# Altium PCB NODE.PcbDoc (continued)
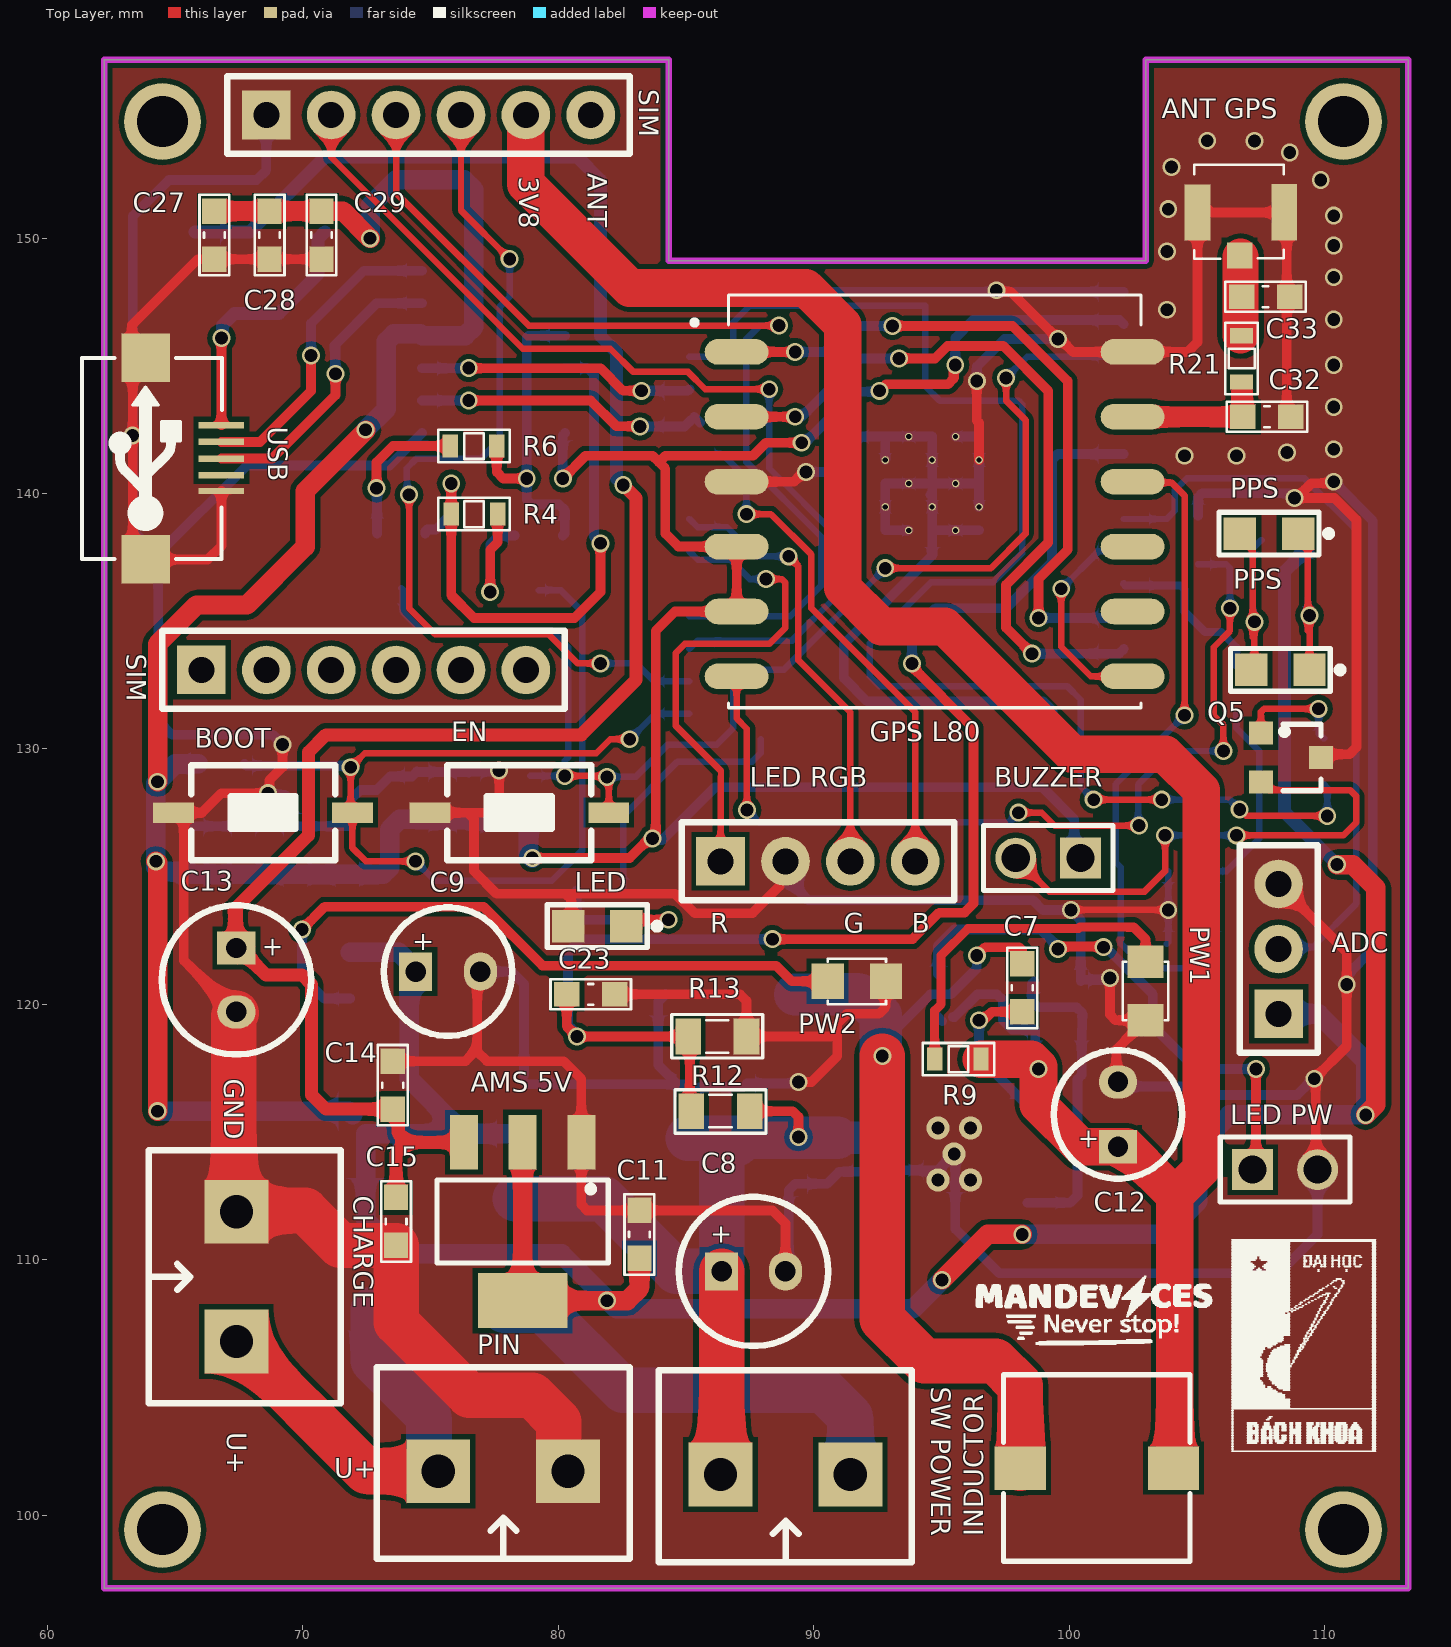
[diagram p0: Top Layer view]
## Footprints (in the part's own frame and the unit in brackets; to place one, negate y for a bottom-side part, rotate by r counter-clockwise, add the part's x,y. Pads: shape width x height; smd on the part's side, far side on the other; paste and mask are expansions set on the pad) (continued)
SMA [mm]
  rect 2x1.7 smd: 1(-2.544,0) 2(2.544,0)
  silkscreen extent -3.94,-1.9 3.94,1.91, body extent -2.87,-1.4 2.87,1.4, height 2.29
SOP-16 [mm]
  rect 0.6x1.2 smd: 1(-4.445,-2.8) 2(-3.175,-2.8) 3(-1.905,-2.8) 4(-0.635,-2.8) 5(0.635,-2.8) 6(1.905,-2.8) 7(3.175,-2.8) 8(4.445,-2.8) 9(4.445,2.8) 10(3.175,2.8) 11(1.905,2.8) 12(0.635,2.8) 13(-0.635,2.8) 14(-1.905,2.8) 15(-3.175,2.8) 16(-4.445,2.8)
  silkscreen extent -5.84,-2.67 5.26,1.95, body extent -4.95,-3.47 4.95,3.47, height 1.75
SOT23 [mm] "SOT-23; 3 Leads; Body 3.1 x 2.5 mm, inc. leads (LxW max), Alternate Lead Configuration"
  rect 0.9x0.95 smd: 1(-0.95,-1.175) 2(0,1.175) 3(0.95,-1.175)
  silkscreen extent -1.3,-0.38 1.3,1.18
SOT23-321 [mm]
  rect 0.9x0.95 smd mask+0: 1(0.95,-1.25)
  rect 0.9x0.95 smd: 2(0,1.25) 3(-0.95,-1.25)
  silkscreen extent -1.3,-0.38 1.3,1.25, body extent -1.52,-1.23 1.48,1.27, height 1.06
SOT95P240X97-3N [mil]
  rect 48x21 smd: 1(-42,37) 2(-42,-37) 3(42,0)
  silkscreen extent -9,-57 26,57, body extent -25,-60 26,60, height 79
SOT223 [mm] "SOT-223/SC-73; 4 Leads; Body 6.7 x 7.3 mm, inc. leads (LxW max)"
  rect 1.1x2.15 smd: 1(-2.3,-3.1) 2(0,-3.1) 3(2.3,-3.1)
  rect 3.5x2.15 smd: 4(0,3.1)
  silkscreen extent -3.35,-1.63 3.35,1.63, body extent -3.43,-1.65 3.43,1.65, height 2.54
SW-SMD [mm] "Switch SMD type"
  rect 1.6x0.8 smd: 1(-3.5,0) 2(3.5,0)
  silkscreen extent -2.82,-1.85 2.82,1.85, body extent -3.05,-1.85 3.05,1.85, height 2.5
TPS5430-2 [mm]
  rect 2.2x0.508 smd: 1(-2.875,1.905) 2(-2.875,0.635) 3(-2.875,-0.635) 4(-2.875,-1.905) 5(2.875,-1.905) 6(2.875,-0.635) 7(2.875,0.635) 8(2.875,1.905)
  rect 2.413x2.54 smd: 9(0,-0.229) 9(0,0.229)
  silkscreen extent -5.46,-2.54 4.44,2.54, body extent -3.33,-2.49 3.33,2.49, height 1.69
USB-M1 [mil]
  rect 10x70 smd: 1(51.18,0) 2(25.59,0) 3(0,0) 4(-25.59,0) 5(-50,0)
  rect 74.8x74.8 smd: 5(-155.51,116.84) 5(155.51,116.84)
  silkscreen extent -155,-1 155,215, body extent -157,5 158,218, height 107
XCVR_L80-M39 [mm]
  oval 2.5x1 smd paste-2: 1(-7.75,6.35) 2(-7.75,3.81) 3(-7.75,1.27) 4(-7.75,-1.27) 5(-7.75,-3.81) 6(-7.75,-6.35) 7(7.75,-6.35) 8(7.75,-3.81) 9(7.75,-1.27) 10(7.75,1.27) 11(7.75,3.81) 12(7.75,6.35)
  silkscreen extent -9.5,-7.57 8.08,8.57, body extent -8,-8 8,8, height 7.05

## Part data
ADC: "Header, 3-Pin", LatestRevisionDate=17-Jul-2002, LatestRevisionNote="Re-released for DXP Platform.", Publisher="Altium Limited"
"AMS 5V" "AMS PW": library part "AMS1117 SMD", "Dán", Chung_Loai=Dán, Don_Vi=Con, Ma_Hang=MH000596
"ANT GPS": library part IPXSx66, "Antenna GSM GPS", Manufacturer="TE Connectivity AMP Connectors", Package=SMD, Part Number=2334884-1, Category=Connectors, User_Description="UMCC MICRO-COAX RECEPTACLE, GEN"
BOOT EN: library part SW2, "Switch button 2 pin"
BUZZER "LED PW" PIN "SW POWER": "WR-PHD 2.54 mm Angled Socket Header", Manufacturer="W¨¹rth Elektronik eiSos GmbH", partNo=613002143121, ComponentLink1 Description=Manufacturer, ComponentLink1URL=http://www.we-online.com, ComponentLink2 Description=Datasheet, ComponentLink2URL=http://katalog.we-online.de/em/datasheet/6130xx143121.pdf, Created by="Karrer Zheng", Created Date="29 March 2013", NoPins=02
C1 C2 C3 C4 C5 C6 C23 C32 C33: library part CapSMD, "Capacitor", LatestRevisionDate=17-Jul-2002, LatestRevisionNote="Re-released for DXP Platform.", PackageReference=RAD-0.3, Published=8-Jun-2000, Publisher="Altium Limited"
C7 C10 C11 C17 C18 C27 C28 C29: library part C, "4.7µF ±10% 35V Ceramic Capacitor X5R 0805 (2012 Metric)", Manufacturer="Samsung Electro-Mechanics", Package=0805, Part Number=CL21A475KLCLQNC, Category=CAPACITOR, User_Description="CAP CER 4.7UF 35V X5R 0805"
C8 C13: library part CP3, "Cap 470uF/63V"
C9: library part "Cap Pol", "Polarized Capacitor (Axial)", LatestRevisionDate=17-Jul-2002, LatestRevisionNote="Re-released for DXP Platform.", PackageReference=POLAR0.8, Published=8-Jun-2000, Publisher="Altium Limited"
C12: library part CP5, "220µF Molded Tantalum Polymer Capacitor 16V 2917 (7343 Metric) 40mOhm @ 100kHz", Manufacturer="AVX Corporation", Package=2917, Part Number=TCME227M016R0040E, Category=CAPACITOR, User_Description="CAP TANT POLY 220UF 16V 2917"
C14 C15: library part C, "Cap SMD", Manufacturer="Samsung Electro-Mechanics", Package=0805, Part Number=CL21A106KPFNNNG, Category=CAPACITOR, User_Description="CAP CER 10UF 10V X5R 0805"
CH340: "USB to serial chip CH340", Package=Package, Availability=Unavailable, Check_prices=https://www.snapeda.com/parts/CH340C/WCH/view-part/5428851/?ref=eda, MF=WCH, MP=CH340C, Price=None, SnapEDA_Link=https://www.snapeda.com/parts/CH340C/WCH/view-part/5428851/?ref=snap
CHARGE: "Header IDC, 2 x 1 Pin Vertical 2.54mm Pitch (Non-Boxed, Male)", Manufacturer="W¨¹rth Elektronik eiSos GmbH", partNo=613002143121, ComponentLink1 Description=Manufacturer, ComponentLink1URL=http://www.we-online.com, ComponentLink2 Description=Datasheet, ComponentLink2URL=http://katalog.we-online.de/em/datasheet/6130xx143121.pdf, Created by="Karrer Zheng", Created Date="29 March 2013", NoPins=02
D1 D3: library part D1A, "Diode 1A"
D4: library part "Diode Zener", "Zener Diode", LatestRevisionDate=17-Jul-2002, LatestRevisionNote="Re-released for DXP Platform.", PackageReference=DIODE-0.7, Published=8-Jun-2000, Publisher="Altium Limited"
ESP32: "Bluetooth, WiFi 802.11b/g/n, Bluetooth v4.2 +EDR, Class 1, 2 and 3 Transceiver Module 2.4GHz ~ 2.5GHz Antenna Not Included, U.FL Surface Mount", Package="Module Espressif Systems", Availability="In Stock", Check_prices=https://www.snapeda.com/parts/ESP32-WROOM-32/Espressif+Systems/view-part/?ref=eda, MF="Espressif Systems", MP=ESP32-WROOM-32, Price=None, Purchase-URL=https://pricing.snapeda.com/search/part/ESP32-WROOM-32/?ref=eda, SnapEDA_Link=https://www.snapeda.com/parts/ESP32-WROOM-32/Espressif+Systems/view-part/?ref=snap
"GPS L80": "L80 is an ultra compact GPS POT (Patch on Top) module with an embedded 15.0mm × 15.0mm × 4.0mm patch antenna.", Package=None, Availability=Warning, Check_prices=https://www.snapeda.com/parts/L80-M39/Quectel/view-part/51186/?ref=eda, MF=Quectel, MP=L80-M39, Price=None, Purchase-URL=https://pricing.snapeda.com/search/part/L80-M39/?ref=eda, SnapEDA_Link=https://www.snapeda.com/parts/L80-M39/Quectel/view-part/51186/?ref=snap
INDUCTOR: library part L1, "22µH Shielded Inductor 1.65A 96mOhm Max Nonstandard", Manufacturer="Bourns Inc.", Package=SMD, Part Number=SRR0745A-220M, Category=INDUCTORS, User_Description="FIXED IND 22UH 1.65A 96 MOHM SMD"
LED PPS PPS: library part LED0805, "LED SMD 0805"
"LED RGB": "Header, 4-Pin", LatestRevisionDate=17-Jul-2002, LatestRevisionNote="Re-released for DXP Platform.", Publisher="Altium Limited"
PW1 PW2: library part LED, "LED RED DIFFUSED 0805 SMD", Manufacturer="OSRAM Opto Semiconductors Inc.", Package=0805, Part Number="LS R976-NR-1", Category="LED SMD", User_Description="LED RED DIFFUSED 0805 SMD"
Q1 Q2: "NPN 600mW, ECB"
  Q1: =C828
  Q2: =C2383
Q3 Q4: library part BC817, "Bipolar (BJT) Transistor NPN 45V 500mA 100MHz 250mW Surface Mount TO-236AB", Package="SOT-23-3 Rectron", Availability="In Stock", Check_prices=https://www.snapeda.com/parts/BC817/Rectron/view-part/?ref=eda, MF=Rectron, MP=BC817, Price=None, Purchase-URL=https://pricing.snapeda.com/search/part/BC817/?ref=eda, SnapEDA_Link=https://www.snapeda.com/parts/BC817/Rectron/view-part/?ref=snap
Q5: library part "C1815 HF SMD", "NPN transistor", =C9012
R1 R2 R3 R4 R5 R6 R12 R13 R14 R19 R20 R21: library part "Resistor - SMD", "Resistor SMD", Manufacturer="Generic Components", Class=Passive, Published=08/06/2000, Publisher="Altium Hobart Technology Centre"
R7 R9 R11: library part R, "Resistor 1/4W", Manufacturer=Yageo, Package=0805, Part Number=RC0805FR-071KL, Category=RESISTORS, User_Description="RES SMD 1K OHM 1% 1/8W 0805"
R8: library part R, "RES SMD 10K OHM 1% 1/8W 0805", Manufacturer=Yageo, Package=0805, Part Number=RC0805FR-0710KL, Category=RESISTORS, User_Description="RES SMD 10K OHM 1% 1/8W 0805"
R10: library part R, "RES SMD 3.3K OHM 1% 1/8W 0805", Manufacturer=Yageo, Package=0805, Part Number=RC0805FR-073K3L, Category=RESISTORS, User_Description="RES SMD 3.3K OHM 1% 1/8W 0805"
SIM SIM: "Header, 6-Pin", LatestRevisionDate=17-Jul-2002, LatestRevisionNote="Re-released for DXP Platform.", Publisher="Altium Limited"
USB: Manufacturer=FCI, Manufacturer Part Number=10118193-0001LF, Supplier Part Number 1=609-4616-1-ND, .Checked PCB=RF, .Checked SCH=MM, .Creator=MM, Category="Connectors, Interconnects", ComponentLink1Description=http://portal.fciconnect.com/Comergent//fci/drawing/10118193.pdf, ComponentLink1URL=http://portal.fciconnect.com/Comergent//fci/drawing/10118193.pdf, Connector Type="USB - micro B", Features="Shielded, Solder Retention", Gender=Receptacle, Ingress Protection=-, Mounting Type="Surface Mount, Right Angle, Horizontal", Number of Contacts=5, Packaging="Cut Tape (CT)", Pricing 1="1=0.46, 10=0.433, 25=0.3712, 50=0.3156, 100=0.3032, 250=0.27224, 500=0.25988 (USD)", RoHS="RoHS Compliant", Specifications="USB 2.0", Stock 1=28642, Supplier 1=Digi-Key
TPS5430: Name=TPS5430

## Free pads (board coordinates)
  round 3 hole 2: 0(64.516,99.441) 0(64.516,154.559) 0(110.744,99.441) 0(110.744,154.559)

## Via types
v1: diameter 0.7, hole 0.5, Top Layer to Bottom Layer, tented both sides, 113 vias
v2: diameter 0.9, hole 0.5, Top Layer to Bottom Layer, 5 vias

## Nets (pads, with @x,y where several pads share a name; then routed paths per layer and width w, separated by ;. In a path a pad name is that pad's centre, name@x,y a point inside that pad or via, vN(x,y) a via of type N, cw(c..) or ccw(c..) an arc to the next point about the centre after c; other vN are vias at no path point)
3V3: "AMS 5V.2" "AMS 5V.4" "AMS PW.2" "AMS PW.4" "GPS L80.4" "GPS L80.5" ADC.1 BUZZER.1 C1.2 C2.2 C3.2 C4.2 C5.1 C6.1 C9.1 C11.2 C27.2 C28.2 C29.2 CH340.4 CH340.16 ESP32.2 R2.1 R3.1 R5.1 R11.1 | length 264.5
  Top Layer w0.381: v1(78.994,125.73) 82.804,125.73 83.82,126.746 83.82,134.62 84.582,135.382 86.992,135.382 86.992,137.922 84.709,137.922 84.201,138.43 84.201,140.97 83.947,141.224 ; v1(80.188,140.589) 81.077,141.478 83.693,141.478 83.947,141.224 ; v1(89.535,141.986) 88.138,141.986 87.63,141.478 84.201,141.478 83.947,141.224 ; v1(92.583,144.018) 92.837,144.272 95.264,144.272 95.487,144.495 95.487,144.973 v1(95.549,145.034)
  Top Layer w0.762: v1(64.262,125.603) 64.323,125.542 v1(64.323,115.824) ; v1(64.323,128.717) 64.323,134.105 65.853,135.636 67.818,135.636 70.104,137.922 70.104,140.098 v1@72.483,142.477 ; C27.2 C28.2 C29.2 71.577,151.054 v1(72.644,149.987) ; C9.1@74.295,121.158 C9.1 ; 78.613,114.606 78.613,108.406 v1(81.915,108.406) 82.708,108.406 83.185,108.883 C11.2 ; v1(95.034,109.22) 96.812,110.998 v1(98.171,110.998) ; v1(110.49,125.476) 111.104,125.476 112.014,124.566 112.014,116.078 v1(111.612,115.676)
  Bottom Layer w0.381: v1(80.188,140.589) 80.188,142.279 CH340.16 ; v1(83.693,126.492) 83.754,126.431 84.07,126.431 84.073,126.428 86.148,128.503 98.954,128.503 100.203,127.254 100.203,125.984 BUZZER.1 ; v1(89.535,141.986) 89.662,141.986 91.661,143.985 92.55,143.985 v1(92.583,144.018) ; v1(95.549,145.034) 95.549,146.095 96.245,146.791 101.975,146.791 ESP32.2
  Bottom Layer w0.508: R5.1 109.197,137.701 108.443,136.946 108.443,127.523 v1(110.49,125.476)
  Bottom Layer w0.762: v1(64.323,115.824) 71.812,115.824 71.961,115.676 ; v1@64.389,128.778 64.262,128.651 v1(64.262,125.603) 64.262,125.374 64.422,125.214 65.565,125.214 65.659,125.12 C2.2 C1.2 C3.2 C4.2 73.152,125.095 73.406,125.349 73.406,126.848 73.812,127.254 74.461,127.254 C5.1 74.493,127.222 76.487,127.222 C6.1 76.544,127.165 78.881,127.165 R3.1 78.835,127.043 78.835,125.889 v1(78.994,125.73) ; v1@64.453,128.841 65.024,129.413 R2.1 ; R11.1 73.76,122.047 74.422,121.385 C9.1 74.168,121.031 74.168,117.094 76.327,114.935 ; v1(72.465,142.494) 73.279,143.308 73.279,145.952 73.574,146.246 74.607,146.246 CH340.4 76.36,146.177 76.708,146.525 76.708,151.892 76.327,152.273 73.66,152.273 72.644,151.257 v1(72.644,149.987) ; 78.665,114.935 76.327,114.935 ; v1(95.034,109.22) 93.894,108.08 82.293,108.08 80.137,110.236 73.787,110.236 72.465,111.558 72.465,114.935 76.327,114.935 ; v1(98.171,110.998) 103.759,110.998 105.049,112.288 105.049,114.447 106.278,115.676 v1(111.612,115.676) 111.612,117.792 109.769,119.634 ADC.1
3V8: C12.1 INDUCTOR.2 R7.1 R8.2 R9.1 SIM.5@78.74,154.813 | length 88.1
  Top Layer w1.473: SIM.5@78.741,154.203 78.741,152.114 82.811,148.044 89.7,148.044 91.144,146.6 91.144,136.313 92.661,134.796 95.132,134.796 100.134,129.794 103.762,129.794 105.173,128.384 105.173,113.555 104.14,112.522 102.235,114.427 C12.1 100.457,114.427 98.806,116.078 v1(98.806,117.475) 98.806,117.561 98.511,117.856 R9.1 ; INDUCTOR.2@104.14,101.854 104.14,112.131
  Bottom Layer w0.381: R7.1@94.869,119.507 R7.1@95.034,119.342 ; 95.45,119.507 95.519,119.507 96.408,120.396 97.186,120.396 97.409,120.173 97.409,119.38 97.77,119.019 R8.2 98.679,117.602 v1(98.806,117.475)
5V: "AMS 5V.3" C13.1 C14.1 C15.1 D1.2 | length 79.2
  Top Layer w0.508: 67.31,123.698 C13.1 67.41,123.798 70.231,126.619 70.231,129.877 70.91,130.556 80.909,130.556 83.058,132.705 83.058,139.827 v1(82.55,140.335) ; C13.1@67.51,122.21 68.562,121.158 69.977,121.158 70.358,120.777 70.358,116.459 70.917,115.9 C14.1 73.754,115.679 73.754,114.945 74.093,114.606 ; C15.1 73.661,114.174 74.093,114.606 ; 76.313,114.606 74.093,114.606
  Bottom Layer w0.508: D1.2 67.945,150.241 70.866,153.162 80.768,153.162 81.661,152.269 81.661,146.166 82.296,145.531 82.296,140.589 v1(82.55,140.335)
CH340_RX: CH340.3 ESP32.35 | length 10.9
  Top Layer w0.381: v1(76.506,144.907) 81.661,144.907 82.55,144.018 v1(83.266,144.018)
  Bottom Layer w0.381: CH340.3 v1(76.506,144.907) ; v1(83.266,144.018) 85.079,144.018 ESP32.35
CH340_TX: CH340.2 ESP32.34 | length 11.6
  Top Layer w0.381: v1(76.506,143.637) 81.279,143.637 82.283,142.632 83.194,142.632 v1(83.205,142.621)
  Bottom Layer w0.381: CH340.2 v1(76.506,143.637) ; v1(83.205,142.621) 84.952,142.621 ESP32.34 85.333,143.002 ESP32.34@85.556,142.78
D0_N: CH340.6 USB.2 | length 12
  Top Layer w0.381: USB.2 68.336,142.018 70.333,144.014 v1(70.333,145.403)
  Bottom Layer w0.381: v1@70.333,145.627 70.333,146.66 72.39,148.717 CH340.6
D0_P: CH340.5 USB.3 | length 12.2
  Top Layer w0.381: USB.3 68.809,141.368 71.288,143.847 v1(71.288,144.688)
  Bottom Layer w0.381: 71.247,145.796 71.288,144.912 71.288,145.837 72.898,147.447 CH340.5
EN: EN.1 ESP32.3 Q4.3 R3.2 | length 50
  Top Layer w0.254: v1(80.264,128.943) v1@81.799,128.943 ; EN.1 v1@81.986,128.756 ; v1(92.809,137.077) 96.945,137.077 98.298,138.43 98.298,142.875 97.536,143.637 v1(97.536,144.526)
  Bottom Layer w0.254: Q4.3 73.914,136.246 73.914,135.382 74.676,134.62 79.756,134.62 80.391,133.985 80.391,129.667 80.264,129.54 v1(80.264,128.943) R3.2 ; v1(81.915,128.905) 83.033,128.905 84.303,130.175 86.211,130.175 86.859,130.822 86.859,132.705 87.249,133.096 88.827,133.096 v1(92.809,137.077) ; v1(97.536,144.526) 98.362,145.352 ESP32.3
EX_ANT: "GPS L80.11" C32.2 R21.2 | length 5.6
  Top Layer w0.381: C32.2@106.625,143.002 C32.2@106.782,143.159 ; C32.2 106.782,143.027 C32.2@106.782,143.159 ; C32.2@106.908,143.285 C32.2@106.782,143.159
  Top Layer w0.8: 102.492,143.002 C32.2@106.625,143.002 ; C32.2@106.773,143.336 R21.2@106.773,144.209
GND: "AMS 5V.1" "AMS PW.1" "ANT GPS.2" "ANT GPS.3" "GPS L80.3" "GPS L80.12" "LED PW.2" "LED RGB.2" ADC.3 BOOT.2 C1.1 C2.1 C3.1 C4.1 C5.2 C6.2 C8.2 C9.2 C10.1 C11.1 C12.2 C13.2 C14.2 C15.2 C17.1 C18.1 C23.1 C27.1 C28.1 C29.1 C32.1 C33.1 CH340.1 CHARGE.2 D4.1 EN.2 ESP32.1 ESP32.15 ESP32.38 ESP32.39_1 ESP32.39_2 ESP32.39_3 ESP32.39_4 ESP32.39_5 ESP32.39_6 ESP32.39_7 ESP32.39_8 ESP32.39_9 ESP32.39_10 ESP32.39_11 ESP32.39_12 ESP32.39_13 ESP32.39_14 ESP32.39_15 ESP32.39_16 ESP32.39_17 ESP32.39_18 ESP32.39_19 ESP32.39_20 ESP32.39_21 LED.2 PIN.1 PW1.2 PW2.2 Q1.1 Q2.1 Q5.2 R10.1 R13.1 R20.1 SIM.1@68.58,154.813 TPS5430.6 TPS5430.9 USB.5 | length 426.6
  Top Layer w0.254: v1(100.076,123.698) v1(103.886,123.698)
  Top Layer w0.381: USB.5@63.521,145.273 63.348,145.099 v1(63.348,142.27) 63.348,137.926 63.856,137.418 66.287,137.418 66.823,137.954 USB.5@66.823,140.098 ; USB.5@63.856,144.685 63.856,145.318 63.322,145.851 63.322,146.596 65.9,149.174 C27.1 C28.1 C29.1 ; BOOT.2 BOOT.2@65.353,127.508 ; CHARGE.2@67.41,111.316 CHARGE.2@67.601,111.125 ; C13.2@67.41,119.661 65.353,121.718 BOOT.2@65.353,127.508 ; v1(69.215,130.175) 69.215,129.286 68.71,128.781 68.71,128.331 v1(68.649,128.27) 66.827,128.27 66.065,127.508 BOOT.2@65.353,127.508 ; C14.2 76.378,117.78 76.835,118.237 ; EN.2 76.454,127.508 ; C9.2 76.835,121.158 76.835,118.237 ; v1(77.693,129.159) 77.693,127.82 77.381,127.508 76.454,127.508 ; LED.2 80.518,123.19 80.518,124.11 80.295,124.333 ; C23.1 87.122,120.396 87.376,120.142 R13.1 90.678,118.745 90.742,118.808 ; 86.992,140.462 89.235,140.462 89.616,140.843 v1(89.703,140.843) ; C8.2 88.9,111.43 88.392,111.938 C11.1 81.136,111.938 80.913,112.161 80.913,114.606 80.913,117.08 80.213,117.78 77.216,117.78 76.835,118.161 76.835,118.237 ; 88.9,125.603 88.677,125.38 88.677,124.629 87.619,123.571 85.35,123.571 84.588,124.333 80.295,124.333 ; v1(89.408,116.967) 89.916,116.967 90.932,117.983 90.932,119.253 91.313,119.634 92.555,119.634 92.809,119.888 92.809,120.876 PW2.2 PW2.2@92.837,120.65 ; v1(96.393,144.399) 96.393,142.854 96.479,142.768 ESP32.39_12 ; v1(97.155,147.955) 97.216,147.894 97.724,147.894 v1(99.568,146.05) 99.654,146.05 100.162,145.542 102.492,145.542 104.648,145.542 105.029,145.923 105.029,151.003 ; v1(101.6,121.031) 101.6,119.603 101.823,119.38 PW1.2 101.854,118.237 101.854,117.03 C12.2 C12.2@101.981,117.03 ; 105.416,151.156 105.571,151 108.425,151 ; ADC.3 110.871,122.047 v1(110.871,120.777) 110.871,118.364 v1(109.601,117.094) 109.662,117.033 109.662,113.604 109.728,113.538 ; 108.417,151.008 108.425,151 ; C32.1@108.483,143.205 C32.1 ; C33.1@108.483,147.295 C33.1@108.89,147.701 ; C32.1@108.526,143.205 C33.1@108.526,147.295 ; C33.1 108.526,147.811 108.526,150.898 108.425,151 ; v1(108.829,139.827) v1@108.915,139.827 ; Q5.2 109.989,129.794 110.977,129.794 111.252,130.069 111.252,138.969 110.394,139.827 v1@108.915,139.827 ; v1(110.363,140.462) 110.302,140.401 109.489,140.401 v1@108.915,139.827 ; 76.454,127.508 76.708,127.254 76.708,125.222 77.597,124.333 80.295,124.333
  Top Layer w1.778: CHARGE.2@67.31,111.938 67.31,119.561 C13.2@67.41,119.661 ; CHARGE.2@67.894,111.938 70.104,111.938 71.476,110.566 C15.2 73.661,107.568 76.517,104.712 78.988,104.712 80.03,103.67 80.03,102.088 PIN.1
  Bottom Layer w0.254: Q1.1 103.886,122.432 v1(103.886,123.698) R20.1
  Bottom Layer w0.381: 63.352,142.621 63.356,142.27 63.363,141.601 63.399,138.508 64.323,137.605 64.326,137.287 ; v1@63.356,142.618 63.356,150.859 64.766,152.269 68.195,152.269 68.578,152.652 68.581,152.649 SIM.1@68.581,154.203 ; C2.1 C1.1 C3.1 ; v1(68.649,128.27) 68.71,128.209 69.307,128.209 69.596,127.92 69.596,127.102 C3.1 ; v1(69.215,130.175) 68.834,130.556 64.897,130.556 64.399,131.054 64.326,137.287 ; CH340.1 73.406,141.097 67.818,141.097 64.326,137.605 64.326,137.287 ; C9.2 78.184,121.285 78.665,120.803 78.665,117.235 ; v1(77.693,129.159) 77.655,129.121 76.544,129.121 C6.2 76.487,129.102 74.493,129.102 C5.2 74.28,128.927 73.428,128.927 72.898,128.397 72.263,128.397 71.882,128.016 71.882,127.102 C4.1 C3.1 ; 78.665,116.981 78.774,116.872 C10.1@84.677,116.872 ; D4.1 83.922,120.121 83.922,117.627 C10.1@84.677,116.872 ; ESP32.38 ESP32.1 ; C8.2@88.773,109.601 89.027,109.855 89.027,112.725 C18.1 90.526,112.979 90.995,113.449 92.565,113.449 TPS5430.6 94.869,113.513 TPS5430.9@95.39,114.033 ; 88.9,125.603 88.9,124.968 89.789,124.079 98.587,124.079 98.968,123.698 v1(100.076,123.698) 100.457,123.317 R10.1 100.523,120.97 101.539,120.97 v1(101.6,121.031) ; v1(89.408,116.967) 89.347,116.906 87.391,116.906 C17.1 C10.1 84.981,116.872 C10.1@84.677,116.872 ; v1(89.703,140.843) 90.487,140.843 91.871,142.227 ESP32.39_3 ; ESP32.39_14 ESP32.39_3 ; ESP32.39_21 ESP32.39_9 ESP32.39_19 ESP32.39_6 ESP32.39_16 ESP32.39_5 ; TPS5430.9@95.549,114.332 95.549,113.919 95.549,111.207 97.282,109.474 108.204,109.474 109.728,110.998 109.728,113.538 ; ESP32.39_10 ESP32.39_1 ESP32.39_12 ESP32.39_4 ; v1(96.393,144.399) 96.393,144.971 97.472,146.05 v1(99.568,146.05) ; ESP32.39_7 ESP32.39_20 ESP32.39_8 ; ESP32.39_17 ESP32.39_4 ; ESP32.15 99.359,131.499 98.992,131.865 92.099,131.865 91.186,132.779 91.186,134.112 94.644,137.57 ESP32.39_8 ; C12.2 102.093,116.791 104.958,116.791 105.291,116.459 108.933,116.459 109.568,117.094 v1(109.601,117.094) ; Q2.1 105.049,139.848 105.215,140.015 108.641,140.015 v1(108.829,139.827) ; v1(110.363,140.462) 111.887,138.938 111.887,122.143 110.871,121.127 v1(110.871,120.777) ; ESP32.39_3 ESP32.39_11 ESP32.39_2 ESP32.39_13 ESP32.39_5 ; ESP32.39_8 ESP32.39_18 94.644,139.918 94.607,139.954 94.583,139.954 94.644,140.015 ESP32.39_5 ; ESP32.39_5 ESP32.39_15 ESP32.39_4
  other v1: 104.521,141.478 106.553,141.478 108.537,141.605 110.363,141.732 110.363,143.383 110.363,145.034 110.363,146.812 103.838,147.193 110.363,148.463 103.838,149.471 110.363,149.708 110.363,150.876 103.886,151.13 109.855,152.273 104.013,152.781 108.641,153.351 105.41,153.806 107.255,153.797
  other v2: 94.869,113.132 96.139,113.132 95.504,114.148 94.869,115.164 96.139,115.164
IO2: ESP32.24 R1.1 | length 9.9
  Bottom Layer w0.254: R1.1 82.55,127.381 84.678,129.509 87.605,129.509 87.929,129.832 ESP32.24
IO_0: BOOT.1 ESP32.25 Q3.3 R2.2 | length 42.9
  Top Layer w0.254: v1(74.422,125.603) 72.478,125.603 71.953,126.128 BOOT.1 71.882,127.579 v1(71.882,129.286) 72.432,129.836 81.496,129.836 82.042,130.382 v1(82.804,130.382)
  Bottom Layer w0.254: v1(74.422,125.603) 75.184,124.841 79.756,124.841 80.941,126.026 80.941,135.378 80.099,136.22 Q3.3 ; v1(82.804,130.382) 83.804,131.382 ESP32.25
  Bottom Layer w0.381: R2.2 67.795,129.347 71.821,129.347 v1(71.882,129.286)
NetC7_1: C7.1 D4.2 INDUCTOR.1 TPS5430.8 | length 33.9
  Top Layer w0.381: v1(96.393,121.92) 96.717,122.244 98.044,122.244 98.171,122.117 C7.1
  Top Layer w1.778: v1(92.694,117.983) 92.694,107.683 94.332,106.045 97.124,106.045 98.092,105.077 INDUCTOR.1
  Bottom Layer w0.381: 93.202,119.015 94.583,120.396 95.372,120.396 96.393,121.417 v1(96.393,121.92)
  Bottom Layer w1.651: D4.2 91.821,120.396 92.545,119.672 ; 92.629,116.459 92.629,119.588
NetC7_2: C7.2 TPS5430.1 | length 5.9
  Top Layer w0.381: v1(96.479,119.38) 96.647,119.38 96.977,119.71 C7.2
  Bottom Layer w0.381: v1(96.479,119.38) 96.479,117.953 TPS5430.1
NetC16_1: CHARGE.1 D3.1 PIN.2 | length 17.4
  Top Layer w1.778: CHARGE.1 72.49,101.727 PIN.2
  Bottom Layer w1.778: D3.1 72.767,106.049 74.95,103.866 74.95,102.088 PIN.2
NetC23_2: C23.2 ESP32.6 R12.1 R13.2 | length 54.3
  Top Layer w0.381: C23.2 80.34,119.146 v1(80.741,118.745) R13.2 ; R13.2@85.153,118.631 85.153,115.887 R12.1 ; v1(88.392,122.555) 93.882,122.555 94.918,123.591 95.905,123.591 96.266,123.952 96.266,130.81 93.853,133.223 v1(93.853,133.35)
  Bottom Layer w0.381: v1(80.741,118.745) 80.741,118.831 80.391,119.182 80.391,122.047 80.899,122.555 v1(88.392,122.555) ; v1(93.853,133.35) 93.853,134.579 94.783,135.509 97.536,135.509 99.336,137.309 99.336,141.319 99.559,141.542 ESP32.6
NetC33_2: "ANT GPS.1" C33.2 R21.1 | length 3.1
  Top Layer w1.4: C33.2@106.701,147.701 106.717,147.741 106.717,149.275 ; R21.1@106.717,146.177 C33.2@106.717,147.701
NetD1_1: D1.1 USB.1 | length 10.3
  Top Layer w0.381: USB.1 v1(66.823,146.082)
  Bottom Layer w0.508: v1(66.823,146.082) 66.86,146.119 66.86,146.577 67.337,147.053 69.075,147.053 70.612,148.59 70.612,149.983 D1.1
NetD3_2: "SW POWER.1" D3.2 | length 17.6
  Bottom Layer w1.778: D3.2 77.894,108.038 79.414,108.038 82.55,104.902 90.398,104.902 91.44,103.86 91.44,101.6
NetJ2_1: "LED PW.1" R7.2 | length 20.9
  Top Layer w0.381: v1(99.568,122.174) 99.666,122.272 101.317,122.272 v1(101.346,122.244) ; 107.188,113.538 107.315,113.665 v1(107.315,117.475)
  Bottom Layer w0.381: R7.2 94.869,122.301 95.504,122.936 98.891,122.936 99.526,122.301 99.526,122.216 v1(99.568,122.174) ; v1(101.346,122.244) 101.432,122.244 101.904,121.772 101.907,121.772 103.277,120.401 103.277,119.166 104.968,117.475 v1(107.315,117.475)
NetJ6_2: BUZZER.2 Q5.3 | length 20.8
  Top Layer w0.254: BUZZER.2 99.228,124.419 102.956,124.419 103.759,125.222 v1(103.759,126.619) ; v1(106.553,126.619) 110.744,126.619 111.252,127.127 111.252,128.143 111.001,128.394 107.835,128.394 Q5.3
  Bottom Layer w0.254: v1(103.759,126.619) v1(106.553,126.619)
NetLED1_1: LED.1 R1.2 | length 6.4
  Top Layer w0.381: LED.1 82.931,123.317 v1(84.328,123.317)
  Bottom Layer w0.381: R1.2 80.734,123.54 80.957,123.317 v1(84.328,123.317)
NetLED4_1: PPS.1 R5.2 | length 7.4
  Top Layer w0.254: PPS.1@108.966,138.43 109.347,138.049 109.347,134.62 ; PPS.1@109.414,133.096 v1(109.414,135.23)
  Bottom Layer w0.254: 109.347,134.62 R5.2
NetLED4_2: PPS.2 Q2.2 | length 10.2
  Top Layer w0.254: PPS.2@106.68,138.43 107.188,137.922 107.188,134.366 ; PPS.2@107.128,133.096 107.255,133.223 v1(107.255,134.976)
  Bottom Layer w0.254: 107.188,134.366 107.201,134.379 107.201,137.853 107.524,138.176 Q2.2
NetP3_2: ESP32.27 SIM.2@71.12,154.813 | length 37.8
  Top Layer w0.254: SIM.2@71.121,154.203 71.121,153.161 78.613,145.669 82.042,145.669 82.952,144.759 85.09,144.759 85.767,144.082 v1(88.265,144.082)
  Bottom Layer w0.254: ESP32.27 85.467,134.245 89.16,134.245 90.932,136.017 90.932,138.317 88.265,140.984 v1(88.265,144.082)
NetP3_3: ESP32.28 SIM.3@73.66,154.813 | length 37.6
  Top Layer w0.254: SIM.3@73.661,154.203 73.661,151.764 78.85,146.575 v1(88.646,146.575)
  Bottom Layer w0.254: ESP32.28 89.091,135.192 90.297,136.398 90.297,138.31 87.376,141.231 87.376,146.05 87.901,146.575 v1(88.646,146.575)
NetP3_4: ESP32.26 SIM.4@76.2,154.813 | length 34.8
  Top Layer w0.254: v1(74.168,139.954) 74.168,135.509 75.184,134.493 79.629,134.493 80.772,133.35 v1(81.661,133.35) ; SIM.4@76.201,154.203 76.201,151.078 v1(78.105,149.174)
  Bottom Layer w0.254: v1(74.168,139.954) 74.083,140.039 74.083,140.99 74.444,141.351 76.962,141.351 77.724,142.113 77.724,147.32 78.105,147.701 v1(78.105,149.174) ; v1(81.661,133.35) 83.058,133.35 83.756,132.652 ESP32.26
NetP4_1: "LED RGB.1" ESP32.30 | length 19.6
  Top Layer w0.254: 86.36,125.603 86.36,128.905 86.378,128.923 86.378,129.141 84.6,130.919 84.6,133.749 84.963,134.112 88.265,134.112 88.9,134.747 88.9,136.503 88.751,136.652 v1(88.138,136.652)
  Bottom Layer w0.254: ESP32.30 85.467,137.409 86.746,137.409 87.503,136.652 v1(88.138,136.652)
NetP4_3: "LED RGB.3" ESP32.31 | length 17.4
  Top Layer w0.254: v1(89.027,137.541) 89.408,137.16 89.408,133.477 91.44,131.445 91.44,125.603
  Bottom Layer w0.254: ESP32.31 85.467,138.679 86.619,138.679 87.757,137.541 v1(89.027,137.541)
NetP4_4: "LED RGB.4" ESP32.33 | length 20.9
  Top Layer w0.254: v1(87.376,139.192) 88.333,139.192 89.916,137.609 89.916,135.509 93.98,131.445 93.98,125.603
  Bottom Layer w0.254: ESP32.33 86.423,141.542 87.376,140.589 v1(87.376,139.192)
NetP5_2: ADC.2 ESP32.8 | length 29.5
  Bottom Layer w0.254: ESP32.8 103.822,139.002 104.14,139.32 104.14,140.123 104.606,140.589 109.221,140.589 111.252,138.558 111.252,123.956 109.537,122.241 108.271,122.241 ADC.2
NetPW1_1: PW1.1 R9.2 | length 13.7
  Top Layer w0.35: R9.2 94.742,119.761 94.996,120.015 94.996,121.92 96.049,122.973 100.376,122.973 100.429,123.026 102.289,123.026
  Top Layer w0.381: 102.289,123.026 102.526,123.026 102.997,122.555 PW1.1
NetPW2_1: PW2.1 R11.2 | length 26.2
  Top Layer w0.381: v1(69.977,122.936) 70.866,123.825 77.089,123.825 79.395,121.519 88.539,121.519 89.154,120.904 PW2.1
  Bottom Layer w0.381: v1(69.977,122.936) 69.977,121.103 70.846,120.233 71.866,120.233 R11.2
NetQ1_2: "GPS L80.10" Q1.2 | length 25.4
  Top Layer w0.254: 102.492,140.462 102.527,140.427 104.013,140.427 104.521,139.919 v1(104.521,131.318)
  Bottom Layer w0.254: v1(104.521,131.318) 101.829,128.626 101.829,125.566 102.023,125.372 102.023,122.387 102.998,121.412 104.606,121.412 104.775,121.243 Q1.2
NetQ1_3: Q1.3 R19.1 R20.2 | length 10.4
  Bottom Layer w0.254: Q1.3 105.702,122.394 R20.2 106.172,125.222 107.442,126.492 107.442,129.921 106.553,130.81 R19.1
NetQ3_1: Q3.1 R4.2 | length 6.1
  Top Layer w0.381: v1(77.343,136.144) 77.343,137.795 77.635,138.087 R4.2
  Bottom Layer w0.381: v1(77.343,136.144) 77.343,138.004 77.693,138.354 Q3.1
NetQ3_2: CH340.13 Q3.2 R6.1 | length 12.9
  Top Layer w0.381: R6.1 77.603,141.854 77.603,140.837 77.851,140.589 v1(78.774,140.589)
  Bottom Layer w0.381: Q3.2 80.264,138.43 80.264,139.35 80.041,139.573 78.969,139.573 78.774,139.768 v1(78.774,140.589) 78.774,146.113 78.838,146.177 CH340.13
NetQ4_1: Q4.1 R6.2 | length 5.9
  Top Layer w0.381: v1(72.898,140.208) 72.898,141.219 73.538,141.859 R6.2
  Bottom Layer w0.381: v1(72.898,140.208) 72.911,140.195 72.911,138.443 Q4.1
NetQ4_2: CH340.14 Q4.2 R4.1 | length 23.4
  Top Layer w0.381: v1(75.819,140.392) 75.819,136.017 76.708,135.128 80.645,135.128 81.661,136.144 v1(81.661,138.049)
  Bottom Layer w0.381: Q4.2 74.803,138.512 74.879,138.588 75.215,138.588 75.819,139.192 v1(75.819,140.392) ; CH340.14 81.154,144.907 81.407,144.654 81.407,138.303 v1(81.661,138.049)
NetQ5_1: Q5.1 R14.1 | length 4.4
  Top Layer w0.254: Q5.1 107.512,131.448 107.636,131.572 v1(109.769,131.572)
  Bottom Layer w0.254: v1(109.769,131.572) 109.769,130.602 109.942,130.429 R14.1
NetR8_1: R8.1 R10.2 TPS5430.4 | length 12.3
  Bottom Layer w0.381: TPS5430.4 100.051,112.243 100.33,112.522 100.33,117.071 100.495,117.236 R8.1 100.523,119.047 100.523,119.665 100.3,119.888 98.785,119.888 98.552,120.121 98.552,120.815 R10.2
NetR14_2: ESP32.36 R14.2 | length 55.9
  Top Layer w0.254: v1(100.965,128.016) v1(103.632,128.016) ; v1(106.68,127.635) 106.934,127.381 v1(110.109,127.381)
  Bottom Layer w0.254: ESP32.36 86.487,145.352 86.859,145.724 86.859,146.702 87.467,147.311 ; 87.467,147.353 94.369,147.353 94.369,144.199 94.931,143.637 98.022,143.637 98.171,143.488 98.171,137.668 97.028,136.525 94.595,136.525 92.202,134.132 92.202,132.842 92.583,132.461 99.924,132.461 100.457,131.928 100.457,128.542 100.965,128.034 v1(100.965,128.016) ; v1(103.632,128.016) 106.299,128.016 v1(106.68,127.635) ; R14.2 110.109,128.486 v1(110.109,127.381)
NetR19_2: ESP32.10 R19.2 | length 6.7
  Bottom Layer w0.3: ESP32.10 102.208,136.398 104.372,136.398 104.521,136.249 104.521,135.382 105.324,134.579 105.959,134.579 106.553,133.985 R19.2
NetU1_9: "GPS L80.7" ESP32.9 | length 8.6
  Top Layer w0.254: v1(99.695,136.271) 99.695,134.002 100.855,132.842 102.492,132.842
  Bottom Layer w0.254: v1(99.695,136.271) 101.156,137.732 ESP32.9
NetU1_11: "GPS L80.1" ESP32.11 | length 27.5
  Top Layer w0.381: 86.992,145.542 v1(89.281,145.542) ; v1(93.091,146.558) 97.79,146.558 99.949,144.399 99.949,137.795 98.806,136.652 v1(98.806,135.128)
  Bottom Layer w0.381: v1(89.281,145.542) 90.424,145.542 91.44,146.558 v1(93.091,146.558) ; v1(98.806,135.128) 101.708,135.128 101.958,135.378 ESP32.11
NetU1_12: "GPS L80.2" ESP32.12 | length 29.1
  Top Layer w0.381: 86.992,143.002 v1(89.281,143.002) ; v1(93.345,145.288) 94.755,145.288 95.242,145.775 97.43,145.775 99.187,144.018 99.187,138.075 97.536,136.424 97.536,134.747 v1(98.552,133.731)
  Bottom Layer w0.381: v1(89.281,143.002) 89.535,143.002 91.821,145.288 v1(93.345,145.288) ; v1(98.552,133.731) 101.953,133.731 ESP32.12
PPS: "GPS L80.6" Q2.3 | length 35.7
  Top Layer w0.254: 86.992,132.842 86.992,131.194 87.391,130.795 v1(87.391,127.61) ; v1(98.022,127.508) 98.933,127.508 99.441,127 v1(102.743,127) ; v1(106.045,129.921) 106.045,130.937 105.664,131.318 105.664,133.985 106.299,134.62 v1(106.299,135.509)
  Bottom Layer w0.254: v1(87.391,127.61) 87.874,127.127 97.641,127.127 v1(98.022,127.508) ; v1(102.743,127) 102.701,127.042 102.701,128.609 104.013,129.921 v1(106.045,129.921) ; Q2.3 106.15,137.226 106.299,137.077 v1(106.299,135.509)
VBAT: "AMS PW.3" "SW POWER.2" C8.1 C10.2 C17.2 C18.2 R12.2 TPS5430.7 | length 33.3
  Top Layer w0.381: R12.2 89.185,115.824 89.408,115.601 v1(89.408,114.808)
  Top Layer w1.778: 86.36,101.6 86.4,101.64 C8.1
  Bottom Layer w0.381: C18.2 89.332,114.808 v1(89.408,114.808)
  Bottom Layer w1.27: 91.005,114.783 TPS5430.7
  Bottom Layer w1.651: C17.2@86.995,114.554 87.224,114.783 90.932,114.783
  Bottom Layer w1.778: 78.331,112.395 81.788,112.395 84.633,109.55 C8.1 86.4,114.035 86.919,114.554 C17.2@86.995,114.554 ; C10.2@85.09,114.757 C17.2@87.249,114.757
pads on no net: "GPS L80.8" "GPS L80.9" CH340.7 CH340.8 CH340.9 CH340.10 CH340.11 CH340.12 CH340.15 ESP32.4 ESP32.5 ESP32.7 ESP32.13 ESP32.14 ESP32.16 ESP32.17 ESP32.18 ESP32.19 ESP32.20 ESP32.21 ESP32.22 ESP32.23 ESP32.29 ESP32.32 ESP32.37 SIM.1@66.04,133.096 SIM.2@68.58,133.096 SIM.3@71.12,133.096 SIM.4@73.66,133.096 SIM.5@76.2,133.096 SIM.6 TPS5430.2 TPS5430.3 TPS5430.5 USB.4

## Polygon pours and split planes (outlines as drawn)
GND on Top Layer "GND_L01_P030" (solid, remove dead copper, pour order 30): 62.23,156.972 84.328,156.972 84.328,149.117 102.997,149.117 102.997,156.972 113.284,156.972 113.284,97.155 62.23,97.155 62.23,156.972
no net on Top Layer "NONET_L01_P004" (solid, pour order 4): 63.246,162.687
no net on Top Layer "NONET_L01_P002" (solid, pour order 2): 63.246,162.687
no net on Top Layer "NONET_L01_P000" (solid, pour order 0): 63.246,162.687
GND on Bottom Layer "GND_L02_P028" (solid, remove dead copper, pour order 28): 62.23,156.972 84.328,156.972 84.328,149.117 102.997,149.117 102.997,156.972 113.284,156.972 113.284,97.155 62.23,97.155 62.23,156.972
no net on Bottom Layer "NONET_L02_P014" (solid, pour order 14): 118.491,162.814

## Keep-outs
Keep-Out Layer:
  lines w0.254: 62.23,97.155 62.23,156.972 84.328,156.972 84.328,151.638 84.328,149.117 102.997,149.117 102.997,156.972 113.284,156.972 113.284,121.315 113.284,97.155 63.246,97.155 62.23,97.155

## Silkscreen, mask and mechanical layers (free items; w line width, h text height)
Top Overlay:
  drawing of 1603 lines, arcs and shapes, not listed
  text "ANT" at 81.153,152.527 h0.76 r270
  text "3V8" at 78.486,152.4 h0.76 r270
  text "R" at 85.948,122.809 h0.76
  text "G" at 91.186,122.809 h0.76
  text "B" at 93.853,122.809 h0.76
  text "GND" at 66.929,117.094 h0.76 r270
  text "U+" at 67.056,103.251 h0.76 r270
  text "U+" at 71.247,101.473 h0.76

## Text inside footprints (layer, text, board x,y; h text height)
C8: Top Overlay "+" at 85.948,110.668 h0.76
C9: Top Overlay "+" at 74.295,122.123 h0.76
C12: Top Overlay "+" at 101.079,114.3 h0.76 r90
C13: Top Overlay "+" at 68.528,122.662 h0.76 r270
ESP32: Mechanical 13 "ANTENNA" at 99.644,151.632 h0.76